# KiCad board 8851_HW-U1-VCU118_REV2-0_071417.kicad_pcb (continued)
## Routing (per net, layer and track width the routed paths; a pad name or vN(x,y) marks a point on that pad's centre or on a via; arc(x,y) is an arc through that point) (continued)
FMCP_HSPC_DP9_C2M_N: length 169.9
  TOP w0.102: J22.B25 v3(75.25,157)
  TOP w0.113: v2(122.28,82.52) 121.79,82.03
  03_SIG1 w0.107: v2(122.28,82.52) 122.28,82.25 arc(122.25,82.17) 122.16,82.13 122.11,82.13 arc(122.03,82.15) 121.96,82.19 121.94,82.21 arc(122.26,82.41) 121.89,82.34 121.89,87.55 arc(122.46,87.44) 121.98,87.76
  03_SIG1 w0.15: 121.98,87.76 121.98,87.94 arc(123.2,87.7) 122.16,88.39 122.68,88.91 arc(122.84,89.01) 123.02,89.05 123.23,89.05 arc(123.51,89.1) 123.76,89.27 arc(123.96,89.57) 124.03,89.93 124.03,101.02 arc(123.95,101.45) 123.7,101.82 122.75,102.77 arc(122.45,102.97) 122.1,103.04 arc(122.59,104.2) 121.42,103.72 121.42,106.21 arc(121.62,106.69) 122.1,106.89 122.33,106.89 arc(122.7,107.04) 122.86,107.41 122.86,107.94 arc(122.78,108.33) 122.56,108.66 122.11,109.11 arc(122.8,109.56) 121.99,109.4 121.99,116.23 arc(121.93,116.51) 121.77,116.75 121.76,116.76 arc(123.71,118.06) 121.41,117.6 121.41,118.84 121.41,121.37 arc(121.45,121.55) 121.55,121.7 arc(121.76,122.01) 121.83,122.37 121.83,122.99 arc(121.78,123.22) 121.65,123.41 arc(121.55,123.57) 121.51,123.76 121.51,125.11 arc(121.66,125.85) 122.08,126.49 arc(122.25,126.74) 122.31,127.05 122.31,128.25 arc(122.12,128.71) 121.66,128.9 118.81,128.9 arc(119.13,129.22) 118.81,129.54 121.66,129.54 arc(122.31,130.2) 121.66,130.85 116.59,130.85 arc(116.91,131.17) 116.59,131.49 118.27,131.49 arc(118.74,131.68) 118.93,132.15 118.93,133.46 arc(119.25,133.78) 119.57,133.46 119.57,132.15 arc(120.69,132.61) 120.22,131.49 121.37,131.49 arc(121.83,131.68) 122.03,132.15 122.03,132.88 arc(121.97,133.14) 121.83,133.36 120.83,134.36 arc(120.4,135) 120.25,135.75 arc(120.08,136.61) 119.6,137.34 117.3,139.63 arc(119.51,141.11) 116.9,140.59 116.9,141.52 arc(116.59,142.27) 115.83,142.58 114.75,142.58 arc(114.43,142.65) 114.17,142.82 113.34,143.65 arc(115.14,144.85) 113.02,144.43 113.02,144.71 arc(112.88,145.41) 112.49,146.01 arc(111.79,146.47) 110.98,146.63 94.54,146.63 arc(93.43,146.85) 92.5,147.47 92.07,147.9 arc(90.64,148.86) 88.95,149.19 82.11,149.19 arc(80.83,149.45) 79.75,150.17 77.57,152.35 arc(77.37,152.65) 77.3,153 77.3,157.24 arc(77.13,157.65) 76.73,157.81 76.03,157.81 arc(75.66,157.66) 75.5,157.28 75.5,157.25 arc(75.43,157.08) v3(75.25,157)
FMCP_HSPC_DP9_C2M_P: length 198.5
  TOP w0.102: J22.B24 v3(76.5,157)
  TOP w0.113: v2(122.28,81.54) 121.79,81.05
  03_SIG1 w0.107: v2(122.28,81.54) 122.28,81.77 arc(122.23,81.88) 122.12,81.93 122.11,81.93 arc(121.95,81.96) 121.82,82.05 121.8,82.06 arc(122.44,82.49) 121.69,82.34 121.69,87.55 arc(121.67,87.67) 121.6,87.76
  03_SIG1 w0.15: 121.6,87.76 121.6,87.94 arc(123.54,87.55) 121.9,88.65 122.42,89.17 arc(122.69,89.36) 123.02,89.42 123.23,89.42 arc(123.37,89.45) 123.49,89.53 arc(123.61,89.72) 123.66,89.93 123.66,101.02 arc(123.6,101.31) 123.44,101.55 122.49,102.5 arc(122.31,102.62) 122.1,102.66 arc(122.85,104.46) 121.05,103.72 121.05,106.21 arc(121.35,106.95) 122.1,107.26 122.33,107.26 arc(122.44,107.3) 122.48,107.41 122.48,107.94 arc(122.43,108.19) 122.29,108.4 121.85,108.84 arc(123.14,109.71) 121.61,109.4 121.61,116.23 arc(121.59,116.37) 121.51,116.48 121.5,116.5 arc(124.05,118.2) 121.04,117.6 121.04,118.84 121.04,121.37 arc(122.67,121.04) 121.29,121.97 arc(121.41,122.15) 121.45,122.37 121.45,122.99 arc(121.44,123.08) 121.39,123.15 arc(122.79,124.09) 121.14,123.76 121.14,125.11 arc(121.31,126) 121.82,126.75 arc(121.91,126.89) 121.94,127.05 121.94,128.25 arc(121.86,128.45) 121.66,128.53 118.81,128.53 arc(119.5,129.22) 118.81,129.92 121.66,129.92 arc(121.94,130.2) 121.66,130.48 116.59,130.48 arc(117.29,131.17) 116.59,131.87 118.27,131.87 arc(118.47,131.95) 118.55,132.15 118.55,133.46 arc(119.25,134.16) 119.94,133.46 119.94,132.15 arc(120.42,132.35) 120.22,131.87 121.37,131.87 arc(121.57,131.95) 121.65,132.15 121.65,132.88 arc(121.63,133) 121.56,133.1 120.56,134.09 arc(124.39,136.65) 119.88,135.75 arc(119.74,136.47) 119.33,137.07 117.03,139.37 arc(119.86,141.25) 116.53,140.59 116.53,141.52 arc(116.32,142.01) 115.83,142.21 114.75,142.21 arc(114.29,142.3) 113.9,142.56 113.08,143.38 arc(115.48,144.99) 112.65,144.43 112.65,144.71 arc(112.54,145.27) 112.22,145.74 arc(111.65,146.12) 110.98,146.26 94.54,146.26 arc(93.29,146.5) 92.23,147.2 arc(92.23,147.21) 92.23,147.21 91.8,147.64 arc(90.49,148.51) 88.95,148.82 82.11,148.82 arc(80.69,149.1) 79.48,149.91 78.22,151.17 arc(78.09,151.22) 77.95,151.17 arc(77.82,151.11) 77.68,151.17 77.53,151.32 arc(77.85,151.46) 77.53,151.59 arc(77.58,151.73) 77.53,151.86 77.3,152.09 arc(77.02,152.5) 76.92,153 76.92,157.24 arc(76.87,157.38) 76.73,157.44 76.03,157.44 arc(75.92,157.39) 75.88,157.28 75.88,157.19 arc(76.2,157.32) 76.06,157 v3(76.5,157)
FMCP_HSPC_DP9_M2C_N: length 140.9
  TOP w0.102: J22.B5 v3(100.25,157)
  TOP w0.113: 118.84,84.98 v2(119.33,85.48)
  07_SIG3 w0.092: 120.23,88.64 120.21,88.63 120.21,88.49 119.81,88.08 arc(120.34,87.72) 119.71,87.85 119.71,85.2 arc(119.67,85.11) 119.58,85.07 119.42,85.07 arc(119.49,85.23) 119.33,85.16 v2(119.33,85.48)
  07_SIG3 w0.107: 105.69,153.7 105.67,153.7 105.58,153.79 102.49,153.79 arc(102.8,154.55) 102.04,154.24 102.04,154.82 arc(101.97,154.97) 101.82,155.03 101.16,155.03 arc(101.43,155.69) 100.78,155.42 100.78,156.89 arc(100.74,156.97) 100.67,157 v3(100.25,157)
  07_SIG3 w0.15: 105.69,153.7 106.23,153.7 arc(106.62,153.78) 106.95,154 107.29,154.33 arc(107.52,154.49) 107.79,154.54 113.02,154.54 arc(113.5,154.35) 113.69,153.87 113.69,152.7 arc(113.96,151.37) 114.72,150.23 120.11,144.84 arc(120.76,144.41) 121.52,144.26 122.09,144.26 arc(122.29,144.17) 122.37,143.97 122.37,143.74 arc(123.56,144.23) 123.07,143.05 123.16,143.05 arc(123.59,143.22) 123.76,143.65 123.76,143.97 arc(123.84,144.17) 124.04,144.26 126.68,144.26 arc(127.45,144.1) 128.11,143.66 128.37,143.41 arc(128.45,143.21) 128.37,143.01 126.66,141.31 arc(127.8,140.83) 126.66,140.36 arc(127.17,140.15) 127.68,140.36 129.35,142.03 arc(129.69,142.07) 129.82,141.75 arc(129.79,141.69) 129.74,141.63 129.35,141.24 arc(130.54,140.75) 129.35,140.26 arc(129.84,140.05) 130.33,140.26 130.73,140.65 arc(130.92,140.73) 131.12,140.65 133.49,138.28 arc(133.59,138.17) 133.69,138.05 arc(133.95,137.54) 134.03,136.97 134.03,136.73 arc(133.96,136.56) 133.79,136.49 133.34,136.49 arc(132.14,135.99) 131.65,134.8 131.65,133.15 arc(131.64,133.08) 131.6,133.03 arc(131.49,132.95) 131.36,132.93 127.71,132.93 arc(124.43,131.57) 123.08,128.29 123.08,124.7 arc(124.72,125.03) 123.33,124.1 123.69,123.74 arc(124.17,123.01) 124.35,122.15 124.35,119.14 arc(124.19,118.34) 123.73,117.66 123.24,117.17 arc(122.94,116.71) 122.83,116.17 122.83,109.54 122.83,109.32 arc(124.63,109.62) 123.03,108.74 arc(123.31,108.41) 123.6,108.1 123.67,108.03 arc(123.87,107.74) 123.94,107.39 123.94,99.93 arc(123.74,98.96) 123.19,98.13 122.47,97.41 arc(122.33,97.2) 122.29,96.96 122.29,91.21 arc(122.19,90.74) 121.92,90.34 121.4,89.81 arc(121.28,89.76) 121.16,89.81 arc(121.04,89.86) 120.92,89.81 120.73,89.62 arc(121.02,89.5) 120.73,89.39 arc(120.78,89.27) 120.73,89.15 120.23,88.64
FMCP_HSPC_DP9_M2C_P: length 133.7
  TOP w0.102: J22.B4 v3(101.5,157)
  TOP w0.113: 118.84,84 v2(119.33,84.49)
  07_SIG3 w0.092: v2(119.33,84.49) 119.33,84.8 arc(119.35,84.87) 119.42,84.89 119.58,84.89 arc(119.8,84.99) 119.89,85.2 119.89,87.85 arc(119.9,87.91) 119.93,87.96 120.34,88.36 120.48,88.36 120.5,88.38
  07_SIG3 w0.107: 105.69,154.07 105.67,154.07 105.58,153.99 102.49,153.99 arc(102.66,154.41) 102.24,154.24 102.24,154.82 arc(102.11,155.11) 101.82,155.23 101.16,155.23 arc(101.29,155.55) 100.97,155.42 100.97,156.16 arc(102.45,155.87) 101.2,156.7 v3(101.5,157)
  07_SIG3 w0.15: 105.69,154.07 106.23,154.07 arc(106.48,154.12) 106.68,154.26 107.02,154.6 arc(107.38,154.84) 107.79,154.92 113.02,154.92 arc(113.76,154.61) 114.07,153.87 114.07,152.7 arc(114.31,151.51) 114.98,150.5 115.09,150.39 120.38,145.1 arc(120.9,144.75) 121.52,144.63 122.09,144.63 arc(122.56,144.44) 122.75,143.97 122.75,143.74 arc(123.29,143.97) 123.07,143.42 123.16,143.42 arc(123.32,143.49) 123.39,143.65 123.39,143.97 arc(123.58,144.44) 124.04,144.63 126.68,144.63 arc(127.6,144.45) 128.37,143.93 128.63,143.67 arc(128.82,143.21) 128.63,142.74 126.93,141.04 arc(127.43,140.83) 126.93,140.63 arc(127.17,140.53) 127.42,140.63 129.08,142.29 arc(129.88,142.39) 130.18,141.65 arc(130.11,141.49) 130.01,141.36 129.62,140.97 arc(130.16,140.75) 129.62,140.52 arc(129.84,140.43) 130.07,140.52 130.46,140.91 arc(130.92,141.11) 131.39,140.91 133.76,138.55 arc(133.88,138.41) 133.99,138.27 arc(134.3,137.65) 134.41,136.97 134.41,136.73 arc(134.23,136.29) 133.79,136.11 133.34,136.11 arc(132.41,135.73) 132.03,134.8 132.03,133.15 arc(131.98,132.94) 131.87,132.76 arc(131.63,132.6) 131.36,132.55 127.71,132.55 arc(124.7,131.3) 123.45,128.29 123.45,124.7 arc(124.37,124.89) 123.59,124.37 123.95,124 arc(124.52,123.15) 124.72,122.15 124.72,119.14 arc(124.53,118.2) 124,117.4 123.51,116.91 arc(123.28,116.57) 123.2,116.17 123.2,109.54 123.2,109.32 arc(124.28,109.5) 123.32,108.98 arc(123.59,108.66) 123.87,108.36 123.94,108.3 arc(124.22,107.88) 124.31,107.39 124.31,99.93 arc(124.09,98.81) 123.45,97.86 122.74,97.14 arc(122.68,97.06) 122.66,96.96 122.66,91.21 arc(122.54,90.59) 122.19,90.07 120.5,88.38
FMCP_HSPC_DP10_C2M_N: length 156.5
  TOP w0.102: J22.Z25 v3(75.25,154.5)
  TOP w0.113: v2(120.31,82.52) 119.82,82.03
  03_SIG1 w0.107: v2(120.31,82.52) 120.31,82.12 arc(120.28,82.05) 120.22,82.02 120.16,82.02 arc(120.12,82.03) 120.08,82.06 120.01,82.13 arc(120.49,82.45) 119.92,82.34 119.92,87.55 arc(120.49,87.44) 120.01,87.77
  03_SIG1 w0.15: v3(75.25,154.5) 75.82,154.5 arc(75.86,154.51) 75.89,154.53 arc(75.95,154.62) 75.96,154.72 75.95,154.84 arc(75.94,154.85) 75.93,154.87 75.9,154.89 arc(75.85,154.93) 75.79,154.94 75.13,154.94 arc(74.91,154.85) 74.81,154.62 74.81,153.19 arc(76.02,153.43) 75,152.74 78.85,148.89 arc(79.8,148.25) 80.93,148.03 88.85,148.03 arc(90.02,147.8) 91.01,147.13 91.41,146.73 arc(92.81,145.8) 94.45,145.47 96.64,145.47 arc(97.13,145.27) 97.33,144.78 97.33,144.11 arc(97.61,144.39) 97.89,144.11 97.89,144.78 arc(98.59,145.47) 99.28,144.78 99.28,144.11 arc(99.56,144.39) 99.84,144.11 99.84,144.78 arc(100.54,145.47) 101.23,144.78 101.23,144.12 arc(101.51,144.4) 101.79,144.12 101.79,144.78 arc(102.49,145.47) 103.18,144.78 103.18,144.11 arc(103.46,144.4) 103.74,144.11 103.74,144.78 arc(104.44,145.47) 105.13,144.78 105.13,144.11 arc(105.41,144.4) 105.69,144.11 105.69,144.78 arc(106.39,145.47) 107.08,144.78 107.08,144.12 arc(107.36,144.4) 107.64,144.12 107.64,144.78 arc(108.34,145.47) 109.03,144.78 109.03,144.16 arc(109.31,144.44) 109.59,144.16 109.59,144.78 arc(109.8,145.27) 110.29,145.47 110.92,145.47 arc(111.58,145.2) 111.86,144.54 111.86,143.91 arc(111.94,143.49) 112.18,143.14 113.95,141.36 arc(114.2,141.2) 114.49,141.14 114.77,141.14 arc(115.49,140.85) 115.78,140.13 115.78,139.58 arc(115.67,139.03) 115.36,138.56 114.38,137.58 arc(116.35,136.26) 114.02,136.72 114.02,133.84 arc(114.64,134.09) 114.39,133.47 115.15,133.47 arc(115.57,133.32) 115.8,132.93 arc(115.66,132.38) 115.15,132.13 114.43,132.13 arc(114.14,132.01) 114.02,131.72 114.02,130.68 arc(114.05,130.5) 114.15,130.36 114.42,130.09 arc(114.6,129.97) 114.82,129.93 115.55,129.93 arc(115.94,129.85) 116.27,129.63 118.06,127.83 arc(118.17,127.76) 118.3,127.74 120.33,127.74 arc(120.7,127.58) 120.85,127.21 120.85,126.99 arc(120.81,126.79) 120.7,126.62 120.45,126.37 arc(120.34,126.23) 120.28,126.06 arc(121.59,125.81) 120.25,125.89 120.25,116.95 arc(120.27,116.84) 120.33,116.76 arc(120.33,116.75) 120.34,116.74 arc(120.35,116.73) 120.36,116.72 arc(120.47,116.49) 120.5,116.23 120.5,109 arc(120.43,108.62) 120.22,108.3 119.99,108.08 arc(119.95,108.01) 119.94,107.94 119.94,103.53 arc(119.98,103.29) 120.11,103.09 122.54,100.67 arc(122.79,100.3) 122.88,99.86 122.88,91.7 arc(122.74,91.03) 122.36,90.46 122.06,90.16 arc(122.19,90.11) 122.06,90.06 122.09,90.03 arc(122.12,89.96) 122.09,89.88 121.84,89.64 arc(121.77,89.61) 121.69,89.64 arc(121.62,89.67) 121.54,89.64 121.29,89.39 arc(121.48,89.32) 121.29,89.24 arc(121.33,89.14) 121.29,89.04 121.09,88.84 arc(120.99,88.8) 120.9,88.84 arc(120.82,88.87) 120.74,88.84 120.14,88.24 arc(120.04,88.09) 120.01,87.92 120.01,87.77
FMCP_HSPC_DP10_C2M_P: length 169.5
  TOP w0.102: J22.Z24 v3(76.5,154.5)
  TOP w0.113: v2(120.31,81.54) 119.82,81.05
  03_SIG1 w0.107: v2(120.31,81.54) 119.86,81.99 arc(120.67,82.52) 119.72,82.34 119.72,87.55 arc(119.7,87.67) 119.63,87.77
  03_SIG1 w0.15: 119.63,87.77 119.63,87.92 arc(121.23,87.6) 119.88,88.5 121.79,90.42 122.1,90.72 arc(122.4,91.17) 122.5,91.7 122.5,99.86 arc(122.44,100.15) 122.28,100.4 119.85,102.83 arc(119.64,103.15) 119.56,103.53 119.56,107.94 arc(119.6,108.16) 119.73,108.34 119.95,108.57 arc(120.08,108.76) 120.13,109 120.13,116.23 120.13,116.23 arc(120.11,116.38) 120.05,116.51 arc(121.16,117.18) 119.88,116.95 119.88,125.89 arc(121.96,125.76) 119.91,126.16 arc(120.02,126.41) 120.19,126.63 120.43,126.88 arc(120.47,126.93) 120.48,126.99 120.48,127.21 arc(120.43,127.32) 120.33,127.36 118.3,127.36 arc(118.03,127.41) 117.8,127.57 116,129.36 arc(115.8,129.5) 115.55,129.55 114.82,129.55 arc(114.46,129.62) 114.15,129.82 113.89,130.09 arc(113.71,130.36) 113.64,130.68 113.64,131.72 arc(113.87,132.28) 114.43,132.51 115.15,132.51 arc(115.37,132.61) 115.44,132.86 arc(115.33,133.03) 115.15,133.1 114.39,133.1 arc(114.91,134.36) 113.65,133.84 113.65,136.72 arc(116.7,136.11) 114.11,137.84 115.09,138.82 arc(115.33,139.17) 115.41,139.58 115.41,140.13 arc(115.22,140.58) 114.77,140.77 114.49,140.77 arc(114.05,140.85) 113.69,141.1 arc(113.69,141.1) 113.69,141.1 113.51,141.28 111.91,142.88 arc(111.59,143.35) 111.48,143.91 111.48,144.54 arc(111.32,144.93) 110.92,145.1 110.29,145.1 arc(110.06,145) 109.97,144.78 109.97,144.16 arc(109.31,144.82) 108.65,144.16 108.65,144.78 arc(108.34,145.1) 108.02,144.78 108.02,144.12 arc(107.36,144.78) 106.7,144.12 106.7,144.78 arc(106.39,145.1) 106.07,144.78 106.07,144.11 arc(105.41,144.77) 104.75,144.11 104.75,144.78 arc(104.44,145.1) 104.12,144.78 104.12,144.11 arc(103.46,144.77) 102.8,144.11 102.8,144.78 arc(102.49,145.1) 102.17,144.78 102.17,144.12 arc(101.51,144.77) 100.85,144.12 100.85,144.78 arc(100.54,145.1) 100.22,144.78 100.22,144.11 arc(99.56,144.76) 98.9,144.11 98.9,144.78 arc(98.59,145.1) 98.27,144.78 98.27,144.11 arc(97.61,144.77) 96.95,144.11 96.95,144.78 arc(96.86,145) 96.64,145.1 94.45,145.1 arc(92.66,145.45) 91.15,146.46 90.74,146.87 arc(89.87,147.45) 88.85,147.66 80.93,147.66 arc(79.66,147.91) 78.58,148.63 74.73,152.48 arc(76.36,153.57) 74.44,153.19 74.44,154.62 arc(74.64,155.11) 75.13,155.31 75.79,155.31 arc(76,155.27) 76.17,155.16 76.2,155.13 arc(76.28,155.02) 76.32,154.88 76.33,154.81 arc(76.37,154.67) 76.45,154.55 v3(76.5,154.5)
FMCP_HSPC_DP10_M2C_N: length 149.1
  TOP w0.102: J22.Y11 v3(92.75,153.25)
  TOP w0.113: 117.85,86.95 v2(118.34,87.44)
  07_SIG3 w0.107: v2(118.34,87.44) 118.34,87.16 arc(118.53,87.24) 118.45,87.05 118.56,87.05 arc(118.68,87.1) 118.73,87.23 118.73,88.09 118.65,88.18 118.65,88.21
  07_SIG3 w0.15: v3(92.75,153.25) 93.06,153.25 arc(93.14,153.22) 93.17,153.14 93.17,152.89 arc(94.28,152.91) 93.17,152.86 arc(93.22,152.67) 93.33,152.5 93.49,152.34 93.49,152.34 arc(93.84,152.09) 94.26,151.98 arc(94.32,151.97) 94.38,151.97 98.8,151.97 arc(99.41,151.85) 99.93,151.5 100.23,151.2 arc(100.61,150.92) 101.05,150.77 arc(101.19,150.75) 101.33,150.74 107.57,150.74 arc(108.06,150.95) 108.27,151.44 108.27,153.05 arc(108.55,153.33) 108.83,153.05 108.83,151.44 arc(109.52,152.13) 110.22,151.44 110.22,153.05 arc(110.3,153.25) 110.49,153.33 111.88,153.33 arc(112.11,153.29) 112.31,153.16 arc(112.4,152.95) 112.31,152.74 arc(112.1,152.6) 111.85,152.55 111.41,152.55 arc(110.96,152.37) 110.78,151.92 110.78,151.44 arc(111.96,151.93) 111.47,150.74 111.89,150.74 arc(112,150.74) 112.1,150.73 arc(112.56,150.58) 112.95,150.3 119.92,143.34 arc(120.03,143.16) 120.07,142.96 120.07,141.82 arc(120.09,141.52) 120.15,141.23 arc(120.39,140.64) 120.77,140.13 121.41,139.5 arc(122.08,138.49) 122.32,137.3 122.32,134.22 arc(122.19,133.55) 121.81,132.99 arc(123.45,131.89) 121.51,132.28 121.51,122.84 arc(122.8,123.37) 122.26,122.09 122.79,122.09 arc(123.13,121.75) 122.79,121.41 122.26,121.41 arc(123.01,120.66) 122.26,119.91 122.79,119.91 arc(123.13,119.57) 122.79,119.24 122.55,119.24 arc(121.91,118.97) 121.65,118.34 121.65,109.51 arc(121.58,109.14) 121.36,108.82 121.18,108.63 arc(120.93,108.29) 120.79,107.9 arc(122.95,107.61) 120.78,107.7 120.78,106.46 arc(122.5,107.18) 121.79,105.45 122.48,105.45 arc(122.71,105.22) 122.48,104.99 121.88,104.99 arc(121.27,104.74) 121.02,104.13 121.02,103.69 arc(122.2,104.18) 121.71,103 122.45,103 arc(122.73,102.71) 122.45,102.43 120.56,102.43 arc(119.88,102.15) 119.59,101.47 119.59,101.29 arc(120.65,101.73) 120.21,100.68 122.15,100.68 arc(122.48,100.54) 122.61,100.22 122.61,99.68 arc(122.54,99.29) 122.32,98.95 122.21,98.84 arc(122.03,98.72) 121.81,98.67 121.66,98.67 arc(121.82,99.06) 121.43,98.9 arc(121.39,99.13) 121.26,99.32 121.15,99.44 arc(120.62,99.65) 120.1,99.44 arc(119.86,99.08) 119.78,98.66 119.78,97.55 119.78,97.55 arc(119.78,97.51) 119.78,97.47 arc(119.91,96.94) 120.22,96.49 120.46,96.25 arc(120.95,95.52) 121.12,94.65 121.12,92.26 arc(121.01,91.73) 120.72,91.29 120.21,90.78 arc(120.09,90.73) 119.98,90.78 arc(119.87,90.83) 119.75,90.78 119.56,90.58 arc(119.83,90.47) 119.56,90.36 arc(119.6,90.24) 119.56,90.13 119.26,89.83 arc(118.81,89.15) 118.65,88.36 118.65,88.21
FMCP_HSPC_DP10_M2C_P: length 136.1
  TOP w0.102: J22.Y10 v3(94,153.25)
  TOP w0.113: 117.85,85.97 v2(118.34,86.46)
  07_SIG3 w0.107: v2(118.34,86.46) 118.34,86.74 arc(118.37,86.82) 118.45,86.85 118.56,86.85 arc(118.82,86.96) 118.94,87.23 118.94,88.09 119.02,88.18 119.02,88.21
  07_SIG3 w0.15: 119.02,88.21 119.02,88.36 arc(119.15,89.01) 119.52,89.56 120.98,91.02 arc(121.36,91.59) 121.49,92.26 121.49,94.65 arc(121.29,95.66) 120.72,96.52 120.48,96.76 arc(120.25,97.1) 120.16,97.49 120.16,98.66 arc(120.21,98.94) 120.37,99.17 arc(120.62,99.28) 120.88,99.17 120.99,99.06 arc(121.04,98.99) 121.06,98.9 arc(122.08,99.32) 121.66,98.3 121.81,98.3 arc(122.17,98.37) 122.47,98.57 122.59,98.69 arc(122.88,99.15) 122.98,99.68 122.98,100.22 arc(122.74,100.81) 122.15,101.05 120.21,101.05 arc(120.38,101.47) 119.97,101.29 119.97,101.47 arc(120.14,101.88) 120.56,102.06 122.45,102.06 arc(123.11,102.71) 122.45,103.37 121.71,103.37 arc(121.94,103.91) 121.39,103.69 121.39,104.13 arc(121.54,104.47) 121.88,104.61 122.48,104.61 arc(123.08,105.22) 122.48,105.83 121.79,105.83 arc(122.24,106.91) 121.15,106.46 121.15,107.7 arc(122.58,107.64) 121.16,107.83 arc(121.26,108.12) 121.44,108.37 121.63,108.55 arc(121.92,108.99) 122.03,109.51 122.03,118.34 arc(122.18,118.71) 122.55,118.86 122.79,118.86 arc(123.5,119.57) 122.79,120.29 122.26,120.29 arc(122.64,120.66) 122.26,121.04 122.79,121.04 arc(123.5,121.75) 122.79,122.46 122.26,122.46 arc(122.53,123.1) 121.89,122.84 121.89,132.28 arc(123.11,132.04) 122.08,132.72 arc(122.53,133.41) 122.69,134.22 122.69,137.3 arc(122.43,138.63) 121.67,139.76 121.04,140.39 arc(120.71,140.82) 120.51,141.32 arc(120.47,141.57) 120.45,141.82 120.45,142.96 arc(120.38,143.3) 120.18,143.6 114.85,148.93 113.22,150.57 arc(112.73,150.92) 112.16,151.1 arc(112.02,151.11) 111.89,151.12 111.47,151.12 arc(111.7,151.66) 111.15,151.44 111.15,151.92 arc(111.23,152.1) 111.41,152.17 111.85,152.17 arc(112.24,152.25) 112.57,152.47 arc(112.77,152.95) 112.57,153.42 arc(112.26,153.63) 111.88,153.71 110.49,153.71 arc(110.03,153.51) 109.84,153.05 109.84,151.44 arc(109.52,151.76) 109.2,151.44 109.2,153.05 arc(108.55,153.71) 107.89,153.05 107.89,151.44 arc(107.8,151.21) 107.57,151.12 101.33,151.12 arc(101.22,151.12) 101.12,151.14 arc(100.78,151.25) 100.5,151.46 100.19,151.77 arc(99.55,152.2) 98.8,152.35 94.38,152.35 arc(94.34,152.35) 94.3,152.35 arc(94,152.43) 93.76,152.6 arc(93.74,152.62) 93.73,152.64 93.6,152.77 arc(93.56,152.82) 93.54,152.88 93.54,153.15 arc(93.57,153.22) 93.64,153.25 v3(94,153.25)
FMCP_HSPC_DP11_C2M_N: length 180.7
  TOP w0.102: J22.Y27 v3(72.75,153.25)
  TOP w0.113: v2(118.34,82.52) 117.85,82.03
  03_SIG1 w0.107: v2(118.34,82.52) 118.34,82.34 arc(118.71,82.49) 118.56,82.13 arc(118.62,82.14) 118.67,82.18 118.69,82.2 arc(118.72,82.25) 118.74,82.31 118.74,87.75 arc(118.71,87.86) 118.65,87.96
  03_SIG1 w0.15: v3(72.75,153.25) 73.23,153.25 arc(73.32,153.22) 73.36,153.13 73.36,152.72 arc(73.45,152.26) 73.71,151.87 78.19,147.38 arc(79.17,146.73) 80.32,146.51 87.98,146.51 arc(88.19,146.46) 88.37,146.35 88.85,145.87 arc(88.85,145.86) 88.85,145.86 89.06,145.65 arc(89.55,145.45) 90.04,145.65 arc(90.15,145.7) 90.27,145.65 90.44,145.47 arc(90.49,145.36) 90.44,145.25 arc(91.42,145.25) 91.42,144.27 91.55,144.4 arc(91.75,144.48) 91.95,144.4 92.03,144.32 arc(92.08,144.2) 92.03,144.08 91.82,143.87 arc(93,143.38) 91.82,142.89 92.13,142.58 arc(92.26,142.48) 92.4,142.41 92.5,142.38 arc(92.6,142.35) 92.71,142.35 92.81,142.35 arc(93.2,142.51) 93.36,142.9 93.36,143.47 arc(93.64,143.75) 93.92,143.47 93.92,141.15 arc(94.62,141.84) 95.31,141.15 95.31,143.69 arc(95.36,143.79) 95.46,143.84 95.66,143.84 arc(95.77,143.79) 95.81,143.69 95.81,143.1 arc(97.09,143.63) 96.56,142.35 97.17,142.35 arc(97.37,142.26) 97.46,142.06 97.46,141.17 arc(98.15,141.86) 98.84,141.17 98.84,142.06 arc(99.12,142.35) 99.41,142.06 99.41,141.12 arc(100.1,141.82) 100.79,141.12 100.79,142.06 arc(101.07,142.35) 101.36,142.06 101.36,141.11 arc(102.05,141.81) 102.74,141.11 102.74,142.06 arc(103.02,142.34) 103.31,142.06 103.31,141.13 arc(104,141.82) 104.69,141.13 104.69,142.05 arc(104.97,142.33) 105.26,142.05 105.26,141.13 arc(105.95,141.83) 106.64,141.13 106.64,142.06 arc(106.92,142.35) 107.21,142.06 107.21,141.35 arc(107.9,142.05) 108.59,141.35 108.59,142.06 arc(108.68,142.26) 108.87,142.35 110.61,142.35 arc(110.73,142.32) 110.84,142.25 113.4,139.69 arc(113.55,139.33) 113.4,138.98 112.92,138.5 arc(115.38,136.86) 112.48,137.44 112.48,130.51 arc(115.77,131.16) 112.98,129.3 113.5,128.78 arc(113.97,128.47) 114.51,128.36 115.13,128.36 arc(115.34,128.32) 115.53,128.19 118.44,125.28 arc(118.57,125.08) 118.62,124.85 118.62,116.71 arc(120.34,117.05) 118.88,116.08 arc(118.95,115.97) 118.98,115.85 118.98,109.53 arc(118.94,109.31) 118.81,109.12 arc(121.11,107.59) 118.4,108.13 118.4,102.82 arc(120.11,103.16) 118.66,102.2 119.64,101.22 arc(119.76,101.04) 119.8,100.82 119.8,99.96 arc(121.96,100.39) 120.13,99.17 121.16,98.14 arc(121.25,98.01) 121.28,97.85 121.28,92.6 arc(121.1,91.69) 120.58,90.91 119.21,89.54 arc(118.79,88.91) 118.65,88.18 118.65,87.96
FMCP_HSPC_DP11_C2M_P: length 148.4
  TOP w0.102: J22.Y26 v3(74,153.25)
  TOP w0.113: v2(118.34,81.54) 117.85,81.05
  03_SIG1 w0.107: v2(118.34,81.54) 118.34,81.8 arc(118.38,81.89) 118.48,81.93 118.56,81.93 arc(118.69,81.96) 118.81,82.04 118.83,82.06 arc(118.91,82.17) 118.94,82.31 118.94,87.75 arc(119.51,87.63) 119.02,87.96
  03_SIG1 w0.15: 119.02,87.96 119.02,88.18 arc(119.14,88.77) 119.48,89.27 120.85,90.65 arc(121.45,91.54) 121.66,92.6 121.66,97.85 arc(121.6,98.15) 121.43,98.41 120.4,99.44 arc(120.23,99.68) 120.18,99.96 120.18,100.82 arc(120.11,101.18) 119.9,101.48 118.93,102.46 arc(119.76,103.02) 118.78,102.82 118.78,108.13 arc(118.85,108.52) 119.08,108.86 arc(119.28,109.17) 119.36,109.53 119.36,115.85 arc(119.3,116.12) 119.15,116.35 arc(119.99,116.91) 119,116.71 119,124.85 arc(118.92,125.22) 118.71,125.54 115.79,128.46 arc(115.49,128.66) 115.13,128.73 114.51,128.73 arc(114.11,128.81) 113.77,129.04 113.25,129.56 arc(112.96,130) 112.86,130.51 112.86,137.44 arc(112.94,137.87) 113.19,138.24 113.67,138.72 arc(113.92,139.33) 113.67,139.95 111.1,142.52 arc(110.88,142.67) 110.61,142.72 108.87,142.72 arc(108.41,142.53) 108.22,142.06 108.22,141.35 arc(107.9,141.67) 107.58,141.35 107.58,142.06 arc(106.92,142.72) 106.27,142.06 106.27,141.13 arc(105.95,141.45) 105.63,141.13 105.63,142.05 arc(104.97,142.7) 104.32,142.05 104.32,141.13 arc(104,141.45) 103.68,141.13 103.68,142.06 arc(103.02,142.71) 102.37,142.06 102.37,141.11 arc(102.05,141.43) 101.73,141.11 101.73,142.06 arc(101.07,142.72) 100.42,142.06 100.42,141.12 arc(100.1,141.44) 99.78,141.12 99.78,142.06 arc(99.12,142.72) 98.47,142.06 98.47,141.17 arc(98.15,141.48) 97.83,141.17 97.83,142.06 arc(97.64,142.53) 97.17,142.72 96.56,142.72 arc(96.83,143.36) 96.19,143.1 96.19,143.69 arc(96.03,144.06) 95.66,144.21 95.46,144.21 arc(95.09,144.06) 94.94,143.69 94.94,141.15 arc(94.62,141.47) 94.3,141.15 94.3,143.47 arc(93.64,144.12) 92.99,143.47 92.99,142.9 arc(92.93,142.77) 92.81,142.72 92.71,142.72 arc(92.66,142.72) 92.62,142.74 92.52,142.77 arc(92.45,142.8) 92.4,142.85 92.08,143.16 arc(92.63,143.38) 92.08,143.61 92.29,143.82 arc(92.45,144.2) 92.29,144.58 92.21,144.66 arc(91.75,144.86) 91.29,144.66 91.16,144.54 arc(91.16,144.99) 90.71,144.99 arc(90.86,145.36) 90.71,145.74 90.53,145.92 arc(90.15,146.07) 89.78,145.92 arc(89.55,145.82) 89.33,145.92 89.12,146.12 arc(89.11,146.13) 89.11,146.13 88.63,146.61 arc(88.33,146.81) 87.98,146.88 80.32,146.88 arc(79.31,147.08) 78.46,147.65 73.98,152.13 arc(73.8,152.4) 73.73,152.72 73.73,152.98 arc(73.81,153.17) v3(74,153.25)
FMCP_HSPC_DP11_M2C_N: length 162.1
  TOP w0.102: J22.Z13 v3(90.25,154.5)
  TOP w0.113: 116.87,84.98 v2(117.36,85.48)
  07_SIG3 w0.107: 117.44,88.61 117.42,88.6 117.42,88.47 117.1,88.16 arc(120.15,86.12) 116.56,86.84 116.56,86.27 arc(117.23,86.55) 116.95,85.87 117.57,85.87 arc(117.62,85.87) 117.65,85.84 117.71,85.78 arc(117.75,85.72) 117.77,85.65 117.77,85.21 arc(117.73,85.12) 117.64,85.08 117.47,85.08 arc(117.54,85.27) 117.36,85.19 v2(117.36,85.48)
  07_SIG3 w0.15: v3(90.25,154.5) 90.48,154.27 arc(90.63,154.04) 90.69,153.77 90.69,152.35 arc(90.76,152) 90.95,151.7 92.58,150.07 93.04,149.61 arc(94.3,148.77) 95.79,148.48 96.97,148.48 arc(97.56,148.72) 97.8,149.3 97.8,149.39 arc(97.85,149.5) 97.96,149.55 98.45,149.55 arc(98.63,149.48) 98.7,149.3 arc(100.11,149.89) 99.52,148.48 110.66,148.48 arc(111.34,148.34) 111.92,147.95 113.45,146.42 arc(113.76,145.95) 113.87,145.4 arc(113.96,144.94) 114.22,144.56 114.44,144.35 arc(114.75,144.13) 115.13,144.06 115.32,144.06 arc(115.44,144.05) 115.55,144.03 arc(115.85,143.92) 116.1,143.73 116.93,142.9 arc(117.23,142.46) 117.33,141.93 117.33,140.52 arc(120.19,141.08) 117.77,139.46 119.59,137.65 arc(119.73,137.44) 119.77,137.2 119.77,134.76 arc(119.67,134.24) 119.38,133.8 arc(121.45,132.42) 119,132.9 119,109.84 arc(118.98,109.7) 118.9,109.57 arc(118.89,109.57) 118.89,109.56 118.8,109.47 arc(118.59,109.16) 118.51,108.78 118.51,104.26 arc(118.46,103.99) 118.3,103.75 117.15,102.6 arc(116.96,102.48) 116.73,102.43 116.36,102.43 arc(116.03,102.36) 115.75,102.18 115.4,101.83 arc(116.81,100.89) 115.15,101.22 115.15,99.2 arc(116.17,99.62) 115.75,98.61 116.45,98.61 arc(116.5,98.6) 116.54,98.57 arc(116.69,98.35) 116.74,98.09 116.74,97.7 arc(116.59,97.33) 116.21,97.17 115.58,97.17 arc(115.33,97.12) 115.11,96.98 115.06,96.93 arc(116.02,96.54) 115.06,96.14 115.12,96.09 arc(115.32,95.95) 115.56,95.9 116.76,95.9 arc(117.2,95.99) 117.58,96.24 117.8,96.46 arc(117.99,96.54) 118.18,96.46 arc(118.3,96.28) 118.35,96.06 118.35,95.22 arc(119.63,95.75) 119.1,94.47 119.59,94.47 arc(119.81,94.39) 119.92,94.17 arc(119.92,94.16) 119.92,94.15 119.92,92.66 arc(119.73,92.21) 119.28,92.02 119.17,92.02 arc(119.09,92.03) 119.02,92.08 118.91,92.19 arc(118.09,92.53) 117.27,92.19 117.18,92.1 arc(117.08,92.04) 116.97,92.02 116.14,92.02 arc(115.76,91.94) 115.45,91.73 arc(115.25,91.44) 115.18,91.09 115.18,89.88 arc(115.13,89.74) 114.99,89.69 114.85,89.69 arc(114.64,89.65) 114.47,89.53 114.3,89.36 arc(115.55,88.53) 114.08,88.82 arc(115.3,89.33) 114.8,88.1 116.1,88.1 arc(116.53,88.28) 116.71,88.71 116.71,90.47 arc(116.79,90.66) 116.98,90.74 117.34,90.74 arc(117.56,90.65) 117.65,90.43 117.65,90.23 arc(117.58,90.08) 117.44,90.02 arc(117.29,89.96) 117.23,89.81 117.23,89.78 arc(117.58,89.92) 117.44,89.57 arc(117.58,89.51) 117.65,89.36 117.65,88.96 arc(117.62,88.83) 117.55,88.72 117.44,88.61